# KiCad board Rogelio Pineda part 6-AMLDC-2044B.kicad_pcb (continued)
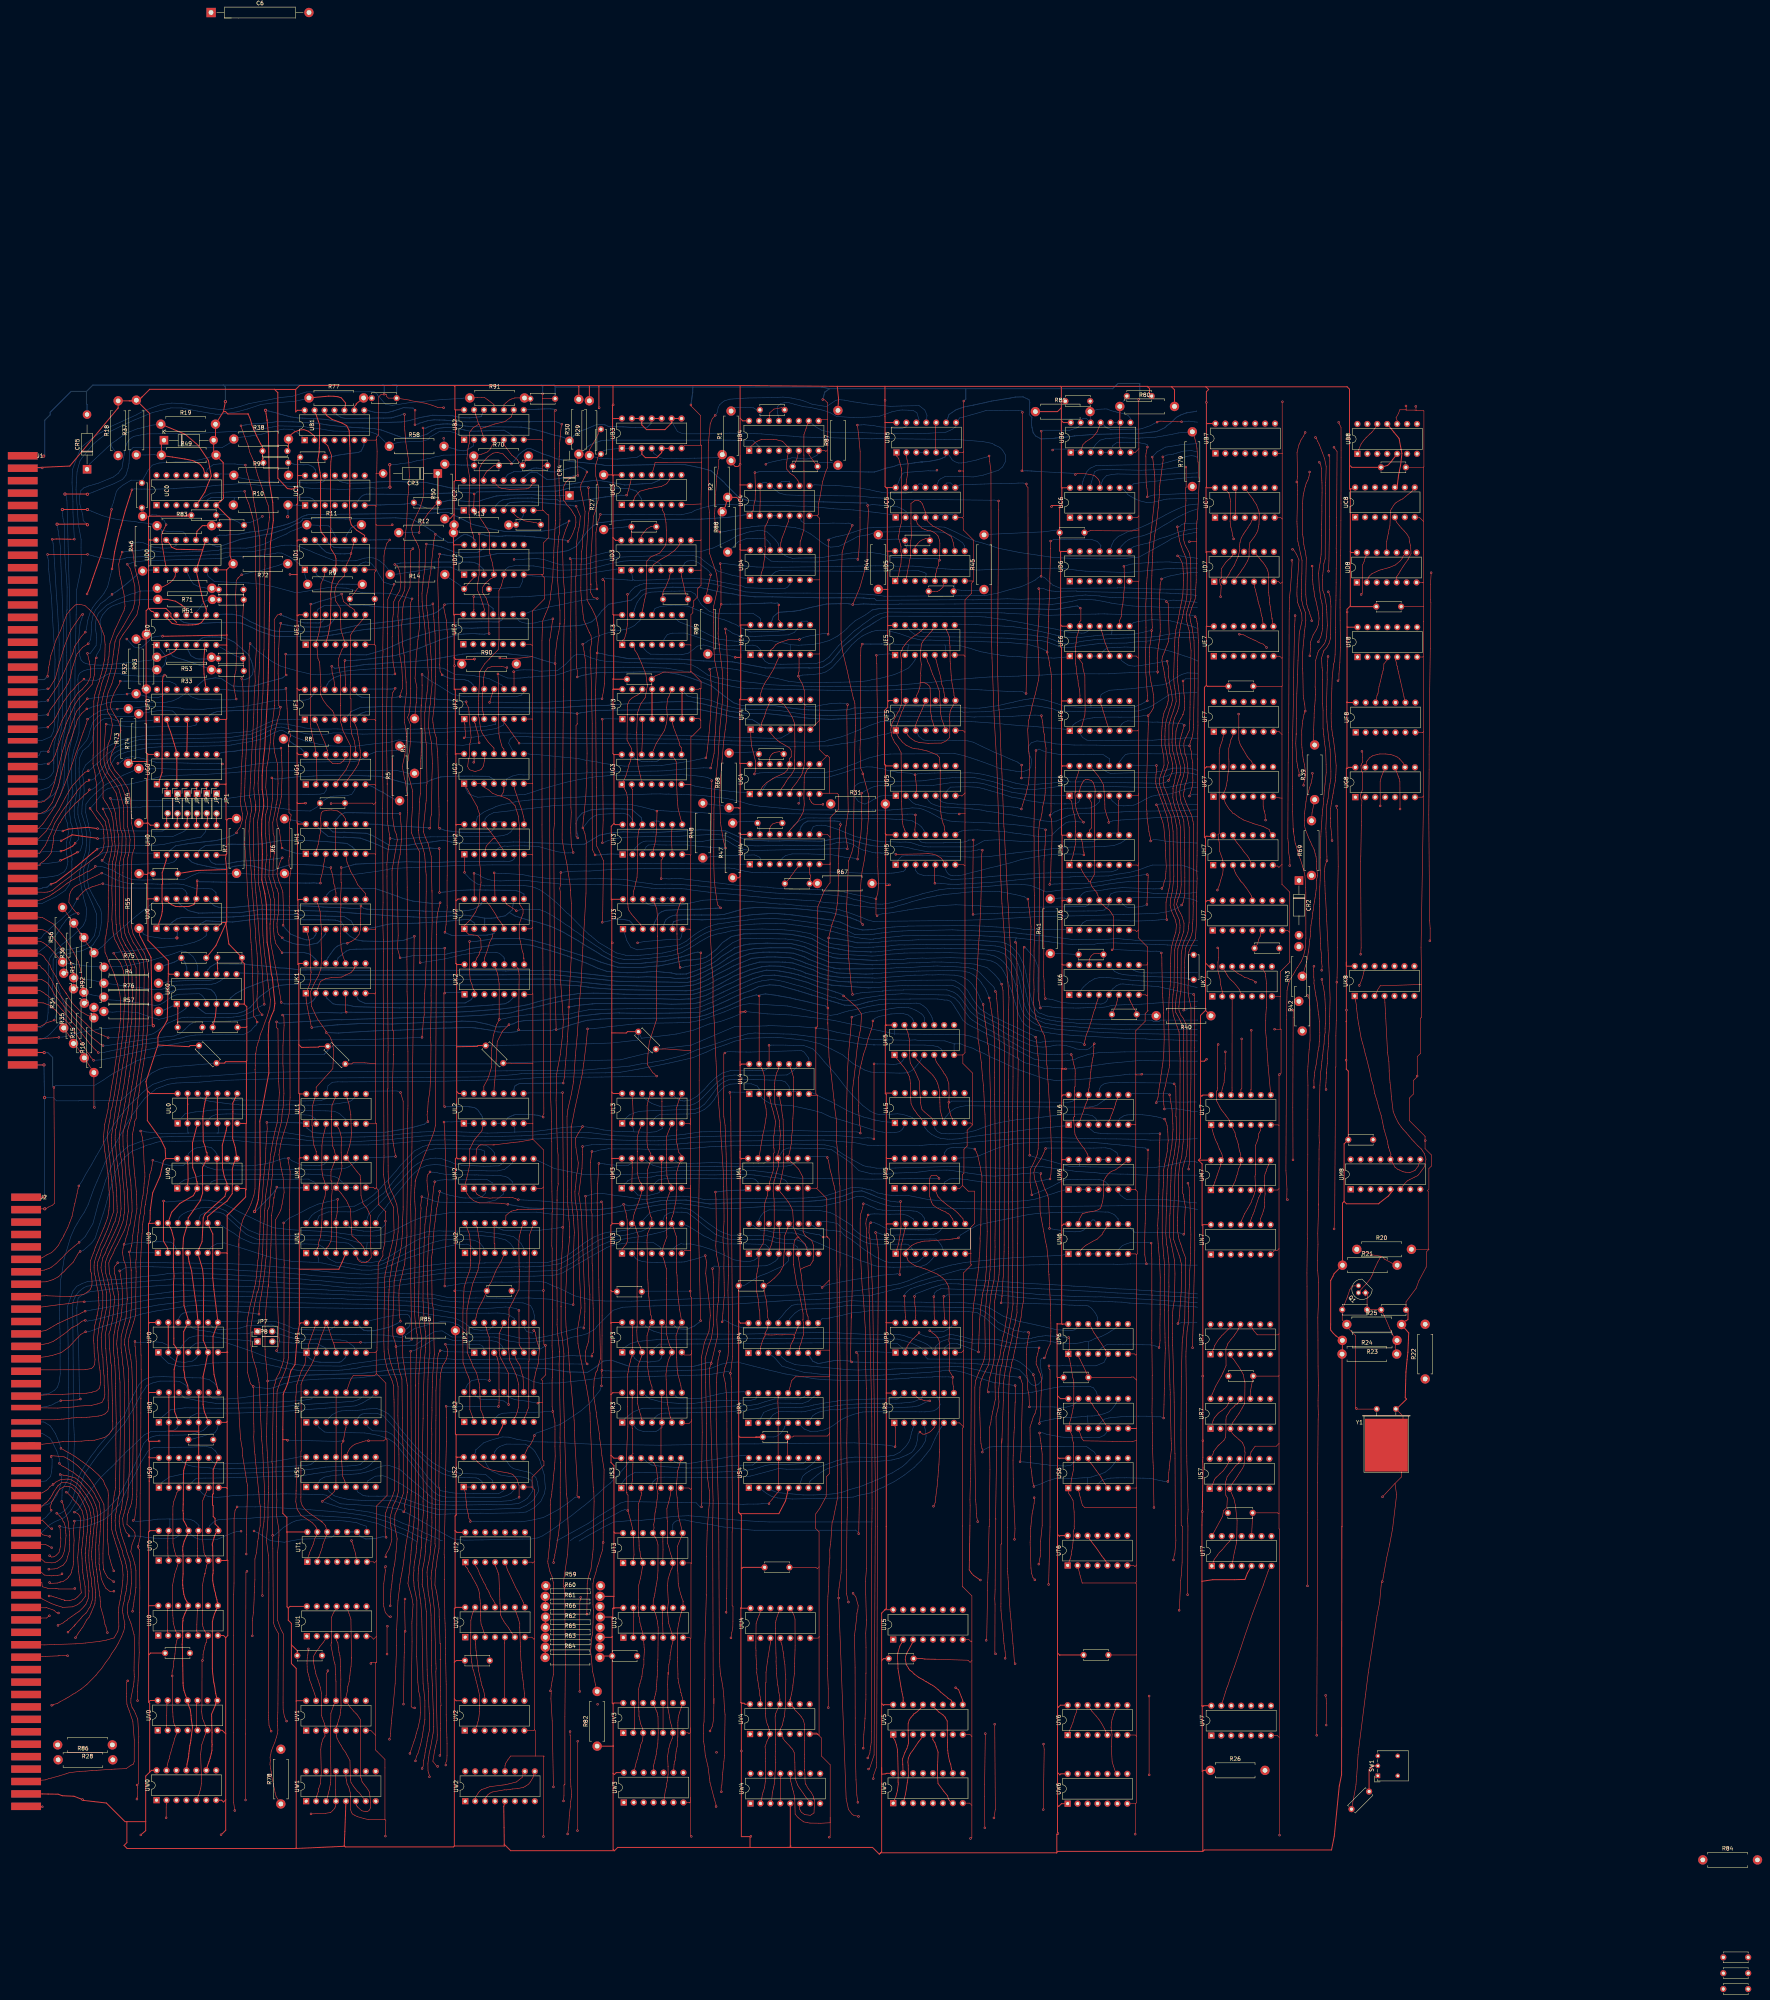
[diagram p0: board, top side]
## Routing (per net, layer and track width the routed paths; a pad name or vN(x,y) marks a point on that pad's centre or on a via; arc(x,y) is an arc through that point) (continued)
  Bottom w0.15: UM0.9 128.57,210.68 129.5,210.2 130.15,210.06 130.53,210.05 131.68,210.01 134.65,210.09 137.12,210.45 138.36,210.7 139.41,210.96 140.91,211.45 141.71,211.72 142.63,211.99 v1(143.65,211.99) 144.54,211.33 147.05,210.22 149.42,210.08 150.19,210.1 151.49,210.13 152.63,210.31 153.38,211.07 UM1.12
M0p12: length 43
  Bottom w0.15: UM1.9 160.89,211.18 160.34,210.68 159.01,209.76 157.9,209.32 156.36,209.24 154.41,209.14 148.18,209.05 145.69,209.07 137.24,209.02 134.93,209 125.14,208.99 122.89,209.67 121.63,210.45 UM0.12
M0p13: length 175.3
  Top w0.15: 107.05,200.13 107.5,202.85 107.66,203.63 107.66,204.3 108.15,207.24 108.21,207.83 108.55,208.78 108.7,209.48 v1(108.99,211.45) ; v1(105.09,73.44) 105.1,75.66 105.16,77.37 105.24,78.61 105.51,85.73 105.47,88.17 105.61,95.95 105.68,102.21 105.58,112.01 105.24,112.34 v1(105.24,112.81) 105.77,115.28 105.75,126.27 105.88,130.87 105.94,146.91 105.94,150.65 105.96,150.67 105.96,153.27 106.01,153.32 106.01,158.1 105.99,158.11 105.99,161.69 105.96,161.73 105.92,164.44 105.88,165.13 105.88,167.29 105.88,167.94 105.84,183.9 105.81,184.83 105.94,187.01 105.97,187.93 106.24,192.81 106.4,193.72 106.37,194.96 106.48,195.7 106.64,196.97 106.87,197.97 106.93,199.51 107.08,200.27
  Top w0.25: UM0.2 118.01,206.45 117.95,210.36 UM0.13 ; UM0.10 UM0.5
  Bottom w0.15: v1(108.99,211.45) 109.7,211.16 109.98,211.12 111.07,210.8 111.75,210.5 113.09,210.18 113.81,210.1 114.17,210.08 116.73,210.1 117.76,210.87 UM0.13 118.07,213.14 118.61,213.65 119.19,214.2 120.06,214.59 120.96,214.73 121.81,214.9 122.88,214.88 123.92,214.68 124.84,213.79 125.38,213.04 UM0.10
M2p2: length 470.2
  Top w0.15: 223.62,157.79 223.77,156.46 223.62,155.2 v1(223.62,153.84) ; UR5.8 313.54,153.63 313.4,154.33 313.38,154.81 v1(313.39,156.02) 313.45,156.07 312.44,157.75 312.51,159.47 312.57,164.56 312.39,165.29 312.52,167.19 312.55,175.92 312.47,176.59 312.37,179.06 311.93,179.98 311.85,180.13 311.22,181.02 310.76,181.42 309.46,182.36 306.44,183.66 305.99,183.8 304.07,184.4 303.73,184.53 302.51,185.29 301.95,185.82 301.7,186.49 301.53,187.37 UN5.2 301.32,188.3 302.58,189.41 302.89,189.67 303.41,189.99 304.19,190.32 305.12,190.57 305.54,190.72 306.07,190.81 307.36,190.84 ; 314.82,191.61 v1(314.82,191.64) 314.26,191.5 314.03,191.47 313.24,191.33 311.22,191.11 310.35,191.11 309.6,191.02 308.82,190.99 307.32,190.84 ; UM2.2 191.76,202.84 192.34,202.43 193.14,202.05 195.12,201.77 195.85,201.84 197.15,201.83 200.13,201.99 200.78,201.98 201.62,201.66 v1(202.38,201.39) 202.48,201.29 ; v1(223.62,200.84) 223.89,200.19 223.92,199.43 223.79,171.76 223.77,166.71 v1(223.72,157.77) 223.93,157.97 ; US2.8 204.8,138.03 205.56,138.96 205.96,139.87 206.11,140 v1(206.49,141.14) ; v1(372.52,322.54) 372.16,321.34 371.98,320.76 371.86,320.29 371.49,319.07 371.29,317.31 371.69,315.27 372.16,314 372.54,312.42 372.55,310.81 372.23,309.34 371.74,308.07 371.62,307.36 371.49,306.74 371.35,305.39 371.56,303.58 371.72,302.92 372.35,301.37 372.83,300.07 373.27,299.12 373.64,297.38 373.79,296.39 373.76,272.17 373.63,271.23 373.58,270.58 373.44,269.6 373.09,268.67 372.43,267.23 372.13,266.24 371.74,264.22 371.69,254.93 371.64,254.59 371.53,254.01 371.26,251.72 371.15,250.78 371.18,249.71 371.39,249.22 371.7,248.42 372.08,247.98 372.32,247.62 372.52,247.12 373.19,245.75 373.33,215.12 373,212.43 372.54,210.97 372.12,209.42 372.03,204.53 372.09,203.08 372.29,202.69 372.35,202.23 372.44,201.56 372.79,199.59 372.59,195.7 372.56,195.3 372.51,192.67 v1(372.38,192.55)
  Bottom w0.15: 359.13,193.8 359.85,193.08 359.85,193.06 360.89,193.06 360.91,193.08 371.31,192.92 v1(372.38,192.55) ; 359.13,193.8 359.28,193.66 ; 359.13,193.8 358.6,194.47 UN6.8 UN6.9 355.63,196.45 355.61,196.48 355,197.22 354.53,197.65 353.08,198.23 352.34,198.23 349.72,198.32 343.74,198.12 341,198.17 340.49,198.15 338.91,198.06 338.5,198.07 337.35,197.96 335.95,197.97 335.2,197.89 332.65,197.57 330.27,197.12 327.28,196.48 324.19,195.86 323.27,195.68 321.73,195.35 319.84,194.92 317.54,193.69 315.43,192.42 v1(314.82,191.64) ; UF6.6 356.17,322.21 356.58,322.86 357.03,323.3 358.09,323.67 364.39,323.34 365.64,323.37 365.97,323.35 369.06,323.12 369.91,323.12 370.6,323.09 372.05,323.03 372.25,322.54 v1(372.52,322.54) ; v1(223.72,157.77) 224.71,157.66 225.39,157.68 226.22,157.61 229.54,157.61 231.87,157.55 234.94,157.57 237.91,157.61 242.78,157.71 243.98,157.76 249.49,157.93 251.55,158.32 254.25,159.37 255.88,159.73 258.35,159.92 262.47,158.86 266.41,157.87 270.51,156.89 274.83,156.18 276.02,156.02 277.77,155.67 280.74,155.4 286.65,155.19 290.68,155.26 292.24,155.32 293.59,155.39 ; v1(206.49,141.14) 206.79,141.51 206.95,141.77 207.95,142.09 208.58,142.33 213.05,144 214.58,144.9 218.46,147.53 220.72,149.51 221,149.85 223.25,152.71 v1(223.62,153.84) ; v1(202.38,201.39) 203.67,201.31 205,201.24 207.69,201.09 208.67,201.02 209.43,200.99 211.09,200.78 211.69,200.71 218.32,200.47 219.33,200.52 221.23,200.52 222.46,200.58 223.22,200.56 v1(223.62,200.84) ; 293.59,155.39 294.9,155.5 296.53,155.53 297.63,155.53 298.61,155.61 299.08,155.61 302.02,155.8 302.77,155.91 305.04,156 306.68,156.06 308.22,156.09 308.32,156.13 308.7,156.19 310.72,156.12 311.53,156.13 312.33,156.13 v1(313.39,156.02) ; 293.59,155.39 293.79,155.4
M2p3: length 163.9
  Top w0.15: v1(179.68,54) 179.68,54.27 179.55,54.69 179.42,55.07 179.31,55.5 179.28,57.46 179.46,58.81 179.61,60.04 179.97,61.52 180.61,65.19 180.78,66.9 180.66,70.07 180.64,71.08 180.42,77.22 180.39,77.71 180.17,82.4 180.16,88.88 180.07,95.3 179.89,97.85 179.7,99.09 179.33,101.3 179.09,105.13 179.04,106.2 179.17,107.47 179.48,108.68 179.84,110.85 179.94,112.01 179.95,112.55 180.06,113.18 180.07,114.14 180.25,116.91 180.31,118.94 180.28,120.23 180.32,123.94 180.32,124.49 180.29,125.68 180.2,136.66 180.28,141.52 180.22,142.97 180.33,147.62 180.3,148.26 180.39,153.48 180.39,154.93 180.82,161.01 180.92,161.97 ; 180.91,161.88 180.6,173.8 180.35,175.1 180.22,186.7 180.39,187.85 180.73,192.31 180.86,194.1 181.11,195.83 181.35,197.62 181.5,199.15 181.75,200.05 182.01,201.88 182.14,202.52 v1(182.27,203.53)
  Bottom w0.15: UM2.3 193.97,203.82 193.97,203.04 193.18,202.21 193.03,202.06 191.99,201.81 188.94,201.81 188.02,201.87 187.23,202.05 184.84,202.53 184.18,202.71 183.1,203.08 182.63,203.29 v1(182.27,203.53)
M2p4: length 167.1
  Top w0.15: v1(181.02,205.96) 180.77,204.7 180.17,198.98 180.04,197.66 179.57,192.56 179.5,191.4 179.25,186.48 179.21,185.67 179.21,184.63 179.18,179.82 179.25,177.56 179.25,176.78 179.57,169.97 179.68,169.48 179.78,162.22 179.54,160.49 179.36,157.29 179.29,155.48 179.15,146.26 179.03,126.63 179.16,125.93 179.17,125.29 179.16,120.62 179.11,120.13 179.04,119.37 179.04,115.11 178.92,114.99 178.68,112.89 178.63,111.5 178.42,109.48 178.21,108.44 177.85,106.6 177.92,104.34 177.8,103.12 177.93,102.67 178.17,101.67 178.52,99.5 178.65,97.89 178.86,96.22 179.07,81.45 179.11,79.91 179.3,77.77 179.35,76.5 179.39,75.89 179.53,71.86 179.63,70.14 179.73,66.16 179.33,64.42 179.07,63.09 178.94,62.08 178.77,61.33 178.56,60.16 178.48,59.5 178.19,58.16 178.06,56.73 v1(177.8,56.11)
  Bottom w0.15: v1(181.02,205.96) 181.78,206.24 182.36,206.38 183.1,206.43 183.68,206.51 183.99,206.45 185.22,206.44 189.34,206.49 191.4,206.51 192.71,206.5 194.38,206.51 195.81,205.67 UM2.4
M2p5: length 166
  Top w0.15: v1(177.71,202.14) 177.44,199.98 177.53,199.21 177.32,196.5 177.3,194.01 177.09,187.02 177.06,184.78 176.96,177.98 176.93,176.66 176.92,171.78 177.21,168.99 177.66,165.93 177.65,164.4 177.47,163.02 177.22,159.92 176.98,156.93 176.95,154.5 176.85,120.96 176.9,119.45 176.73,117.36 176.72,117.35 176.72,115.33 176.58,114.68 176.39,112.7 176.31,112.2 176.26,111.19 175.86,108.84 175.69,107.47 175.72,106.6 175.52,105.41 175.66,104.09 175.7,103.5 175.73,102.61 176.46,99.02 176.42,84.74 176.7,78.16 176.93,75.78 177.25,74.39 177.35,70.4 177.25,68.75 176.73,66.4 176.31,65.1 176.07,64.03 175.69,62.95 174.68,59.96 v1(174.68,59.95)
  Bottom w0.15: v1(177.71,202.14) 178.43,201.89 178.8,201.77 179.1,201.7 179.71,201.49 180.33,201.26 180.73,201.08 181.57,200.85 182.11,200.76 184.14,200.71 184.71,200.71 185.36,200.71 189.54,200.68 189.93,200.67 192.77,200.65 194.37,200.76 196.64,201.3 198.64,202.86 UM2.5
M2p6: length 174.8
  Top w0.15: 178.52,68.63 178.5,68.64 ; 178.5,68.64 178.5,71.91 178.51,73.4 178.23,76.15 178.04,77.86 177.83,89.2 177.7,94.91 177.47,98.32 177.27,99.65 177.14,100.54 176.76,104.17 176.79,105.82 176.84,106.76 176.85,107.16 177.41,110.64 177.5,111.89 177.58,112.46 177.57,112.47 177.69,115.57 178.1,121.56 178.03,124.34 178.09,125.51 178.11,126.66 177.86,136.82 178.04,145.48 178.05,145.5 178.05,149.02 178.12,151.6 178.46,161.21 178.72,163.64 178.67,163.69 178.79,165.69 178.59,167.79 178.33,170.36 178.02,175.64 178.05,182.14 178.12,183.16 178.32,190.34 178.43,192.04 178.51,195.08 178.77,196.58 178.87,198.91 179.18,200.34 179.23,201.25 179.39,202.67 179.13,204.83 179.03,206.27 179.08,207.21 179.28,207.83 179.81,208.36 v1(179.81,208.49) ; 178.5,68.64 178.24,66.96 177.82,64.12 177.37,62.1 176.73,59.94 176.35,59.24 v1(176.09,58.04)
  Bottom w0.15: UM2.6 200.85,205.98 200.18,206.64 199.71,207.04 199.11,207.29 197.81,207.54 196.1,207.61 195.9,207.61 192.23,207.68 191.77,207.71 191.27,207.69 186.82,207.74 185.12,207.78 183.77,207.85 182.21,208.13 181.61,208.28 180.88,208.39 180.33,208.41 v1(179.81,208.49)
M2p9: length 122.9
  Top w0.15: UN5.10 313.53,195.69 313.38,196.43 312.91,197.03 312.81,197.3 312.33,197.77 311.91,197.97 311.47,198.29 310.63,198.63 309.2,199.38 308.36,200.01 307.94,200.73 307.86,200.97 307.49,202.23 307.44,206.34 307.58,207.1 307.86,207.52 308.58,207.62 309.24,207.53 309.56,207.25 309.84,206.83 v1(309.86,206.81) 309.89,206.83 309.96,206.83
  Bottom w0.15: UM2.9 208.78,210.71 211.57,209.35 214.85,208.67 216.7,208.3 219.04,207.82 222.03,207.89 227.35,207.86 228.17,207.81 231.61,207.89 232.68,207.97 234.92,208.11 239.39,208.62 240,208.74 244.74,208.83 247.47,208.78 254.11,208.87 258.19,208.84 258.02,208.8 258.58,208.84 262.36,208.84 262.89,208.77 266.08,208.39 268.17,208.14 269.35,207.86 270.7,207.53 272.92,206.99 274.42,206.85 278.9,206.82 292.82,206.64 308.56,206.81 309.86,206.81 v1(309.86,206.81)
M3p1: length 48.1
  Bottom w0.15: 230.32,206.15 230.39,206.23 230.4,206.23 ; 230.32,206.15 228.82,204.65 UM3.1 ; 230.32,206.15 231.46,206.83 233.66,207 236.37,207.16 237.73,207.52 242.5,207.84 245.27,207.78 252.53,207.71 254.53,207.76 260.95,207.8 262.66,207.68 266.84,207.11 268.8,206.89 269.82,206.72 270.68,206.32 271.22,205.51 UM4.5 UM4.6
M3p4: length 30.1
  Bottom w0.15: UM3.4 237.08,205.26 237.46,205.85 238.24,206.43 240,206.79 242.36,206.8 244.13,206.82 244.83,206.79 254.4,206.71 258.52,206.81 261.05,206.85 261.74,206.86 262.85,206.6 263.62,205.88 263.62,205.63 263.61,205.63 UM4.2
M3p9: length 25.7
  Bottom w0.15: UM4.12 265.8,211.07 265.04,210.68 265.03,210.67 263.75,210.59 262.55,210.57 260.1,210.64 258.47,210.65 254.41,210.76 253.8,210.8 251.84,210.87 248.14,210.72 244.06,210.63 243.55,210.7 242.81,211.04 241.77,211.92 UM3.9
M3p12: length 41.4
  Bottom w0.15: UM4.9 273.36,211.13 273.01,210.83 272.75,210.62 272.13,210.21 270.97,209.97 264.63,209.89 264.15,209.87 262.42,209.82 257.84,209.79 256.35,209.9 255.54,209.84 253.12,209.84 252.42,209.81 251.26,209.88 243.78,209.87 240.59,209.6 239.21,209.51 236.81,210.15 235.57,210.88 235.1,211.31 234.2,211.92 UM3.12
M3p13: length 170.2
  Top w0.15: 222.98,210.6 v1(222.95,210.65) 222.66,205.46 222.52,200.53 222.58,198.31 222.94,180.95 222.96,178.96 223.36,160.78 222.86,159.18 222.55,157.84 222.22,157.33 221.72,155.18 221.68,153.68 221.55,153.3 221.69,150.82 221.86,149.82 222.28,147.1 222.4,146.02 223.06,141.73 223.15,140.42 223.44,138.64 223.72,136.07 224.28,132.47 224.05,116.46 v1(224.05,113.84) 224.01,113.69 223.93,112 223.36,110.32 222.88,108.51 222.53,107.66 222.19,106.18 221.69,104.68 221.45,103.34 221.45,97.96 221.54,96.41 221.47,93.52 221.39,90.94 221.26,90.19 221.07,89.23 220.83,86 221,84.8 221.34,80.88 221.65,79.72 222.08,77.48 R82.2 ; UM3.2 231.49,209.52 231.44,210.55 231.49,210.9 UM3.13 ; UM3.5 238.98,210.3 239.04,210.36 238.98,210.42 UM3.10
  Bottom w0.15: UM3.2 232.88,202.58 235.25,202.36 238.02,203.06 238.37,203.22 UM3.5 ; UM3.13 231.21,210.59 230.48,210.19 227.73,210.14 226.54,210.28 226.02,210.24 224.39,210.51 223.43,210.65 v1(222.95,210.65)
M4p8: length 146.4
  Top w0.15: 281.56,71.61 281.56,71.66 v1(281.58,71.67) 281.56,71.69 281.56,76.47 281.36,81.67 281.37,83.38 281.42,84.87 281.36,90.43 281.32,92.7 281.47,100.06 281.67,102.69 281.75,107.56 281.97,109.86 281.94,111.88 282.11,113.36 282.22,114.06 282.54,118.9 282.81,119.67 283.22,121.71 283.57,123.42 284.01,125.59 283.87,128.61 283.97,133.93 283.81,180.96 283.44,203.27 283.21,204.08 283.04,205.03 282.85,205.64 282.39,207.83 282.12,208.57 281.61,211.37 v1(281.31,212.18)
  Bottom w0.15: UM4.8 276.4,211.92 276.98,212.51 277.04,212.45 280.77,212.45 v1(281.31,212.18)
M5p5: length 12.4
  Top w0.15: UM5.5 308.97,204.01 309.12,203.29 309.46,202.5 309.55,202.29 309.81,201.97 310.53,201.19 310.96,200.85 311.22,200.61 312.08,199.93 312.72,199.48 313.55,198.95 313.94,198.64 314.54,198.09 314.79,197.85 315.28,197.29 315.39,197.17 315.97,196.56 316.12,195.64 UN5.9
M5p9: length 121.7
  Top w0.15: 320.5,194.85 320.55,194.8 ; 320.55,194.8 320.34,191.57 320.37,190.83 320.27,187.79 320.11,186.38 320.05,184.76 319.77,182.23 319.47,180.67 319.38,179.54 319.18,178.28 319.09,177.03 318.86,175.71 318.68,174.47 318.57,172.92 318.48,172.08 318.37,166.87 318.14,160.19 317.98,133.68 317.93,132.16 317.92,130.24 317.87,129.31 317.76,124.81 317.81,123.33 317.76,118.17 ; 320.55,194.8 320.63,200.26 320.66,201.14 320.83,207.32 320.56,208.69 320.44,209.6 320.18,210.76 319.79,212.59 319.37,213.65 v1(319.01,214.32)
  Top w0.2: 317.76,118.17 317.58,106.85 318.15,105.99 318.72,105.4 320.39,104.25 v1(320.45,104.25)
  Bottom w0.15: v1(319.01,214.32) 318.93,214.32 318.22,214.51 ; UM5.9 311.2,213.29 311.9,214.28 312.67,214.61 313.16,214.65 313.56,214.66 314.4,214.66 316.5,214.67 318.18,214.52
M6p2: length 5.1
  Bottom w0.15: UM6.2 UM6.3 UM6.4
M6p6: length 21.5
  Bottom w0.15: UM6.6 355.68,203.56 355.87,202.94 356.33,202.43 356.74,202.13 357.15,201.82 357.85,201.4 368.01,201.36 369.43,201.22 370.58,201.11 371.37,201.04 372.99,200.81 373.9,200.72 374.2,200.7 375.71,200.55
M6p8: length 23.3
  Top w0.15: UN6.13 345.66,196.32 346.49,197.8 347.52,198.1 347.77,198.18 348.83,198.33 349.83,198.54 350.51,198.8 351.13,199.2 351.29,199.65 351.45,200.15 351.68,200.96 351.86,202.36 351.95,206.2 352.45,207.1 352.71,207.47 353.35,208.2 353.92,208.61 354.95,209.01 356.46,210.11 356.95,210.52 UM6.8
M6p11: length 2.5
  Bottom w0.15: UM6.11 UM6.10
M7p3: length 39.7
  Top w0.15: UM7.3 385.17,205.39 385.63,206.36 385.88,207.45 386.08,207.85 386.41,209.31 386.8,210.06 UM7.11 386.95,213.01 386.78,213.46 386.61,213.92 386.32,215.56 385.91,216.92 385.66,217.5 385.47,218.52 UL7.3 384.23,220.71 384.06,221.65 383.23,222.75 382.96,223.16 381.97,224.4 381.62,225.04 380.77,226.64 380.77,229.12 380.97,229.32 380.97,229.9 381.05,229.98 381.05,240.99 381.09,241.03 v1(381.19,241.03) 381.19,241.13 381.12,241.06
M7p6: length 9.3
  Top w0.15: UM7.6 392.03,202.9 391.82,202.47 391.52,201.89 390.82,199.74 390.39,198.39 390.05,197.56 389.77,196.87 389.49,196.11 UN7.10
M7p8: length 17
  Top w0.15: UM7.8 394,210.2 393.59,209.18 393.41,208.56 393.19,208.12 393.07,207.46 392.95,206.05 393.03,205.28 393.18,202.87 393.04,201.54 393.07,200.56 393.04,199.53 392.73,198.48 392.47,197.67 392.03,196.6 UN7.9
N0p2: length 282.1
  Top w0.25: 111.88,201.08 111.85,201.05 v1(111.72,201.05) 111.72,200.92 111.71,200.92 111.7,190.83 112.76,189.04 UN0.2
  Bottom w0.15: 375.92,198.91 375.34,198.98 374.62,199.12 372.8,199.45 372.29,199.51 369.64,199.69 368.35,199.73 364.89,199.85 364.56,199.85 363.82,199.88 356.59,199.86 355.67,199.83 338.66,199.65 337.81,199.67 333.58,199.57 332.57,199.45 330.09,199.23 328.9,198.93 325.69,198.89 323.99,198.92 317.73,199.1 317.45,199.09 317.21,199.12 311.59,199.22 310.28,199.28 299.32,199.61 298.31,199.64 296.64,199.91 295.55,200.25 294.73,200.5 294.11,200.75 292.82,201.17 290.53,202.18 289.57,202.25 288.91,202.26 287.07,201.54 285.42,201.05 283.97,200.64 281.54,200.05 280.07,199.69 267.51,199.76 257.94,199.17 251.96,199.11 247.38,199.94 243.79,200.36 241.13,200.33 239.02,200.15 236.45,199.75 234.21,199.34 229.92,198.58 228.2,198.33 224.51,197.69 222.13,197.23 214.71,197.41 213.71,197.55 210.8,197.7 207.12,198.2 184.95,198.09 183.7,197.87 177.91,196.95 175.32,195.94 173.37,194.95 171.16,193.81 168.5,192.65 166.13,192.11 161.71,192.18 160.23,192.38 156.98,192.8 155.01,193.12 148,193.52 144.2,193.71 139.97,194.19 137.27,195.26 135.07,196.34 131.54,198.03 129.33,199.19 126.65,200.57 124.19,201.06 123.31,201.25 121.16,201.3 115.44,201.04 112.48,200.8 v1(111.72,201.05)
N0p6: length 108.9
  Top w0.15: UN1.2 151.03,189.08 151.35,189.48 151.39,190.55 151.85,191.91 152.1,194.71 152.21,196.36 152.21,199.2 152.57,200.95 152.96,202.1 UM1.3 152.82,206.12 152.46,207.12 152.28,208.09 152.18,209.24 152.18,210.03 152.2,215.03 152.28,216.02 152.57,217.81 152.86,218.78 UL1.3
  Bottom w0.15: UN2.2 190.78,188.9 190.07,189.73 189.22,190.04 188.18,189.94 ; UN1.2 151.34,186.32 151.34,185.31 ; 151.34,185.31 149.06,185.44 144.57,185.62 140.17,186.36 135.25,187.87 132.52,188.76 127.25,190.34 125.35,190.14 123.98,189.41 UN0.6 ; 151.34,185.31 152.33,185.21 156.12,184.39 157.91,184.21 160.45,183.74 162.25,183.4 164.82,183.39 166.59,183.6 168.3,184.03 170.83,185.07 174.09,186.48 177.2,187.53 179.62,188.43 184.58,189.5 186.86,189.96 187.41,189.91 188.41,189.94
N0p8: length 117.3
  Top w0.15: 154.62,198.26 154.71,197.6 154.71,194.41 154.61,194.32 154.61,191.95 ; 154.61,198.19 154.69,200.85 154.61,201.42 154.83,203.89 154.74,203.99 154.74,205.95 154.54,206.3 154.51,206.37 154.51,208.67 155.05,210.14 UM1.11 155.33,214.12 154.94,215.09 154.76,217.56 154.69,217.63 154.69,222.62 154.58,222.73 154.69,223.26 154.76,225.45 155.58,227.42 UL1.11 ; 154.61,192.09 154.51,190.84 153.86,189.55 153.24,188.89 UN1.3
  Bottom w0.15: UN2.3 193.42,189.26 192.48,190.42 191.18,191 189.43,191.21 185.15,191.22 183.12,191.1 180.54,190.48 178.12,189.46 174.96,188.27 171.7,186.74 169.99,185.97 168.68,185.41 168.03,185.1 166.91,184.64 164.51,184.44 163.73,184.48 162.2,184.59 157.91,185.28 155.67,185.43 154.33,186.08 153.64,186.6 UN1.3 152.87,188.86 152.49,189.24 151.3,189.97 147.8,190.09 147.09,190.05 146.2,190.08 136.73,190.11 135.08,190.12 134.1,190.38 131.28,191.65 129.79,192.76 128.31,193.66 UN0.8
N0p10: length 141.9
  Top w0.15: 161.37,186.14 161.34,186.24 ; 161.34,186.24 161.15,186.72 UN1.6 ; 161.34,186.24 161.72,185.7 162.39,185.32 163.14,185.33 163.26,185.35 163.64,185.5 ; 159.59,223.01 159.08,225.99 158.69,227.12 UL1.10 ; 163.64,185.5 163.51,185.46 ; 163.64,185.5 164.14,185.75 164.81,186.69 164.61,190.67 164.64,191.51 164.58,197.34 163.74,199.12 162.73,200.35 162.18,202.42 162.12,206.44 162.02,206.53 161.96,207.63 161.21,208.48 159.69,210.45 UM1.10 158.69,213.3 159.2,214.89 159.59,216.67 159.72,218.19 159.57,223.17
  Bottom w0.15: UN2.6 201.07,189.19 200.39,190.16 199.17,191.1 197.54,191.53 196.41,191.79 195.28,191.97 193.6,192.13 192.83,192.23 191.73,192.31 184.21,192.3 183.78,192.32 182.98,192.31 179.05,191.89 177.26,191.44 175.48,190.52 174.06,189.71 172.01,188.51 167.92,185.92 164.76,185.32 163.69,185.43 162.78,185.56 162.06,185.79 161.28,186.44 UN1.6 160.89,188.7 159.92,189.54 158.92,190.27 158.35,190.35 155.37,190.63 154.65,190.73 153.89,190.97 152.18,191.08 139.54,191.19 137.99,191.18 135.66,191.27 133.47,192.21 132.7,192.65 127.08,197.76 126.05,198.18 124.72,198.28 122.29,198.09 121.12,197.39 UN0.10
N0p12: length 134.4
  Top w0.15: UN1.7 162.75,189.34 162.31,189.84 162.14,190.15 161.43,190.76 160.91,191.35 159.89,192.15 159.77,193.35 159.46,199.12 ; 159.39,199.17 158.76,200.51 158.49,201.14 157.61,202.31 157.09,203.03 UM1.4 156.78,207.42 157.22,209.04 157.31,210.01 157.24,210.6 157.11,213.52 157.11,215.13 157.15,215.17 157.15,217.34 156.82,218.72 156.47,219.64 155.81,220.46 UL1.4
  Bottom w0.15: 163.75,190.39 162.96,190.35 161.83,190.35 156.54,191.85 152.97,192.25 146.45,192.28 144.89,192.18 136.13,192.53 133.31,193.69 131.9,194.74 127.67,198.5 125.89,199.27 125.39,199.39 121.27,199.31 119.76,198.9 117.93,198.37 116.52,197.65 115.74,196.92 UN0.12 ; 163.75,190.39 164.89,190.43 165.2,190.35 166.82,190.51 168.2,190.55 170.32,190.92 172.86,191.52 176.94,192.55 178.99,193.17 182.12,193.41 183.3,193.36 191.85,193.37 198.55,192.53 201.17,191.92 202.09,191.19 203.08,190.18 203.65,189.15 UN2.7 ; 163.75,190.39 163.61,188.9 ; UN1.7 163.61,187.96 163.61,188.9 ; 163.61,188.9 163.59,188.89
N1p4: length 206.2
  Top w0.15: 142.37,195.57 142.37,195.5 v1(142.41,195.46) 142.51,185.84 142.56,184.85 142.52,184.31 142.49,160.79 142.01,159.06 141.29,157.12 140.49,155.67 140.26,154.54 139.8,153.08 139.62,141.47 139.56,140.51 139.45,134.12 139.56,134.01 139.56,115.7 v1(139.61,115.66) 139.56,115.61 139.56,114.9 139.65,112.22 139.78,93.41 140.12,92.4 140.53,91.56 141.07,90.62 140.96,72.79 140.93,70.46 140.87,68.98 140.89,68.08 140.91,67.49 140.85,67.09 140.95,65.91 140.83,65 140.57,64.1 140.17,62.82 139.66,61.59 139.26,60.56 139.24,60.56 139.14,59.75 138.95,59.04 139.01,58.06 138.95,57.54 138.93,57.17 139.1,56.15 139.23,55.28 139.32,54.4 139.39,53.93 139.68,52.9 139.89,51.58 140.09,50.78 140.22,49.95 140.49,48.96 R78.1 ; 156.26,201.47 v1(156.23,201.47) 156.17,199.19 156.08,198.07 155.99,197.31 155.77,196.59 155.78,196.56 UN1.13 155.83,194.34 155.9,192.49 155.93,188.97 UN1.4
  Bottom w0.15: UT1.8 163.49,116.75 163.54,117.99 162.01,118.5 161.09,118.89 158.46,119.26 156.5,119.46 146.96,119.63 145.67,119.44 144.54,118.99 142.87,117.98 142.3,117.62 141.69,117.06 140.06,115.66 v1(139.61,115.66) ; v1(142.41,195.46) 143.74,196.61 145.9,197.64 149.04,199.3 151.17,200.24 153.47,200.82 v1(156.23,201.47)
N1p9: length 43.9
  Bottom w0.15: UN1.9 166.65,197.19 168.34,199.21 168.74,199.7 169,200.16 172.98,204.93 174.52,206.86 175.88,208.26 177.17,209.37 179.03,210.15 181.08,210.36 182.53,210.25 185.89,209.41 187.2,208.9 192.89,208.81 194.35,208.75 197.09,208.73 198.91,209.15 199.5,209.65 200.92,210.77 UM2.11
N1p10: length 44.4
  Bottom w0.15: 176.62,210.58 178.09,211.43 179.94,211.89 181.14,212 182.66,211.92 183.91,211.4 184.87,211.17 185.8,210.69 187.92,210.2 189.45,210.12 193.51,209.94 195.32,209.97 197.43,210.03 198.01,210.43 198.52,210.84 UM2.12 ; 176.62,210.58 175.73,209.94 175.38,209.65 174.92,209.1 174.45,208.62 174,208.09 173.28,207.38 172.67,206.54 171.02,204.84 169.91,203.53 166.18,199.73 165.58,199.14 164.84,198.41 164.16,197.79 UN1.10 ; 176.62,210.58 176.49,210.5
N1p15: length 52.8
  Bottom w0.15: UN1.15 151.51,197.34 153.85,198.27 156.37,198.29 160.24,198.26 163.51,199.66 166.75,202.2 167.92,203.01 169.85,205.27 170.45,206.08 173.54,209.6 174.61,210.88 176.15,212.36 178.39,213.89 181.26,214.43 183.27,214.42 192.23,214.31 193.01,214.1 193.8,213.77 193.8,213.2 UM2.14
N1p16: length 58.1
  Bottom w0.15: UM2.13 196.29,212.89 196.36,213.24 195.55,214.24 194.32,215.19 193.1,215.4 185.43,215.56 179.66,215.48 177.95,214.94 175.85,213.85 172.24,210.13 171.15,208.73 168.83,206.11 167.96,205.31 167.4,204.55 165.25,202.48 163.49,201.27 160.53,199.74 153.08,199.26 151.58,198.69 150.37,198 149.64,197.42 UN1.16
N2p9: length 51.4
  Top w0.15: 205.08,151.42 205.04,151.45 ; 205.04,151.45 205.04,148.3 204.72,147.65 204.37,146.61 203.79,145.34 UR2.7 ; 205.04,151.45 205.04,160.1 205.11,160.17 205.11,166.27 205.08,166.3 205.08,176.73 205.18,187.68 205.18,192.24 205.9,194.25 UN2.9
N2p10: length 52.6
  Top w0.15: UN2.10 203.35,194.62 202.91,193.09 202.61,191.89 202.49,189.9 202.51,189.8 202.58,183.64 202.7,183.53 202.63,183.46 202.56,178.48 201.68,176.81 201.05,175.51 199.99,173.47 200.01,171.55 199.85,170.79 199.9,170.74 199.9,163.16 199.85,163.12 199.94,163.02 200.13,160.43 201.12,158.21 201.86,156.52 202.49,154.15 202.49,149.2 202.35,148.22 202.1,147.2 201.72,146.12 201.25,145.43 UR2.6
N2p15: length 52.2
  Top w0.15: UN2.15 191.91,194.23 192.42,190.9 192.53,190.33 192.56,185.94 192.31,184.82 192.07,183.36 190.72,179.93 189.67,175.5 189.24,173.11 189.22,168.36 189.33,162.37 190.31,160.1 190.79,158.83 191.69,157.19 192.39,154.42 192.51,153.34 192.58,150.81 192.6,150.57 192.79,147.63 193.35,146.33 193.51,144.74 UR2.3
N2p16: length 51.9
  Top w0.15: UN2.16 189.13,194.51 189.92,192.49 190.23,188.96 190.18,188.91 190.18,186 190.23,185.95 190.1,184.61 190.02,183.52 189.21,181.21 188.53,179.04 188.27,174.01 188.22,172.47 188.22,167.78 188.29,167.71 188.19,167.6 188.24,159.85 189.11,157.31 189.65,156.14 190,155.06 189.97,152.6 190,151.03 190,147.76 190.65,146.01 UR2.2
N3p2: length 172.4
  Top w0.15: v1(250.14,187.11) 250.47,185.42 250.25,182.56 251.31,173.89 251.42,171.78 251.08,167.71 249.91,164.85 249.12,160.97 249.35,141.99 249.24,132.95 249.24,126.87 v1(249.18,122.92) ; 266.49,123.7 266.43,123.64 v1(266.43,123.74) 266.52,124.02 267.29,124.94 267.99,125.87 268.9,126.9 US4.4 US4.13 268.76,135.56 UR4.4 268.82,146.83 268.69,149.89 268.76,150.96 UR4.13
  Bottom w0.15: 264.63,123.72 264.64,123.74 v1(266.43,123.74) ; 264.63,123.72 264.88,123.72 ; 264.63,123.72 263.61,123.65 262.43,123.65 261.02,123.64 259.8,123.58 249.41,123.93 249.18,123.7 v1(249.18,122.92) 248.78,122.92 247.82,123.97 243.96,124.03 242.13,124.08 232.91,124.23 231.62,124.31 229.7,124.26 228.47,123.9 222.64,120.38 220.22,118.71 212.11,114.23 ; UN3.2 232.31,186.47 232.73,186.12 233.19,185.87 233.99,185.64 235.34,185.43 237.57,185.36 238.04,185.36 239.67,185.41 243.64,185.44 244.06,185.45 244.84,185.5 246.48,185.95 247.77,186.27 248.67,186.53 v1(250.14,187.11)
N4p9: length 27.7
  Bottom w0.15: UN4.9 280.04,195.86 280.78,195.81 282.67,195.58 283.91,195.26 285.2,193.94 286.85,193.01 288.43,192.03 290.53,190.69 292.11,190.14 293,190.1 293.5,190.06 293.79,190.03 300.98,190.03 301.39,190.04 301.99,189.89 302.66,189.29 302.98,188.85 UN5.3
N4p10: length 33.7
  Bottom w0.15: UN4.10 277.75,194.67 278.65,194.05 279.28,193.85 281.34,193.62 282.8,193.5 284.83,193.24 285.67,192.24 287.15,191.4 289.08,189.96 290.14,189.12 290.98,188.48 292.06,187.84 292.19,187.75 293.08,187.13 293.62,186.79 296.05,185.61 296.99,185.41 297.93,185.36 301.27,185.36 303.24,185.3 304.22,185.44 304.7,185.67 305.02,185.94 305.66,186.53 305.69,186.53 306.4,187.24 UN5.4
N4p13: length 165.1
  Top w0.15: 253.02,46.3 v1(252.9,46.4) 252.88,46.87 252.44,48.35 251.34,52.58 251.22,53.63 250.83,56.61 250.15,59.48 249.93,61.67 249.71,63.05 249.72,64.98 249.65,66.98 249.83,68.03 249.99,78.9 250.03,78.94 250.03,88.07 250.16,91.33 250.41,100.43 250.39,100.45 250.46,110.21 250.62,116.82 251.01,122.15 251.13,123.28 251.22,124.84 251.17,127.06 250.76,130.09 250.64,131.61 250.58,132.85 250.52,135.29 250.51,139.42 250.49,144.31 250.22,154.81 250.11,160.81 250.49,162.17 250.89,163.61 251.76,166.15 252,168 252.24,169.57 252.27,174.11 252.29,178.03 252.24,180.32 v1(252,183.79) ; UN4.4 269.1,187.79 269.2,192.5 ; 269.22,192.33 UN4.13
  Bottom w0.15: UN4.4 268.69,186.32 268.02,185.68 266.65,184.85 265.66,184.51 257.91,184.28 256.4,184.27 253.99,184.36 252.4,184.41 252,183.85 v1(252,183.79)
N4p15: length 54.3
  Bottom w0.15: UN4.15 263.83,196.19 264.31,197.17 265.05,198.12 266.45,198.77 279.36,198.63 282.04,198.08 283.04,197.65 286.68,195.39 287.69,194.7 287.96,193.9 288.43,193.56 289.28,192.87 290.28,192.16 291.55,191.65 292.72,191.2 302.7,191.23 307.57,191.33 309.1,191.33 309.54,190.96 310.31,189.94 310.65,189.31 310.79,188.81 310.91,188.62 UN5.6
N4p16: length 51.3
  Bottom w0.15: UN5.5 308.94,187.28 308.22,186.37 308.04,186.14 307.3,185.4 306.54,184.8 305.34,184.39 303.89,184.22 302.76,184.19 301.68,184.2 298.29,184.13 297.29,184.16 294.6,184.29 294.38,184.33 293.6,184.51 292.84,184.74 291.39,185.31 289.78,185.81 287.99,186.57 286.07,187.36 284.5,187.93 282.33,188.83 280.56,189.64 279.18,190.26 277.78,190.84 275.78,192.02 273.87,192.66 273.25,192.79 272.23,192.92 271.37,192.89 267.51,193.05 265.94,193.47 264.23,193.62 263.27,194.08 262.51,194.77 UN4.16
N5p11: length 158.8
  Top w0.15: 293.09,53.47 v1(293.06,53.53) 293.2,54.54 293.83,56.31 293.94,57.61 294.13,117.95 294.19,159.87 294.39,186.57 294.29,189.11 293.99,191.48 293.83,192.32 v1(293.65,193.01)
  Bottom w0.15: UN5.11 310.58,194.08 310.3,193.65 309.92,193.24 309.2,192.74 308.41,192.49 303.17,192.44 302.62,192.43 302.61,192.44 297.37,192.33 296.91,192.35 296.25,192.42 295.69,192.44 295.06,192.61 294.66,192.79 294.24,192.89 v1(293.65,193.01)
N5p12: length 157.8
  Top w0.15: 291.79,56.05 v1(291.84,55.97) 292.11,56.05 293.27,59.55 293.57,117.95 293.57,129.93 292.9,177.71 292.2,191.6 291.95,192.99 292.03,194.44 292.03,195.13 v1(292.41,195.51)
  Bottom w0.15: v1(292.41,195.51) 292.62,195.51 293.3,195.54 293.65,195.38 294.17,195.17 294.68,194.96 295.81,194.32 296.74,193.9 297.44,193.69 303.92,193.69 304.62,193.65 306.94,193.67 307.29,193.72 307.8,193.88 308.37,194.29 UN5.12
